# Altium PCB APP_1_PCB.PcbDoc (part 4 of 5) (continued)
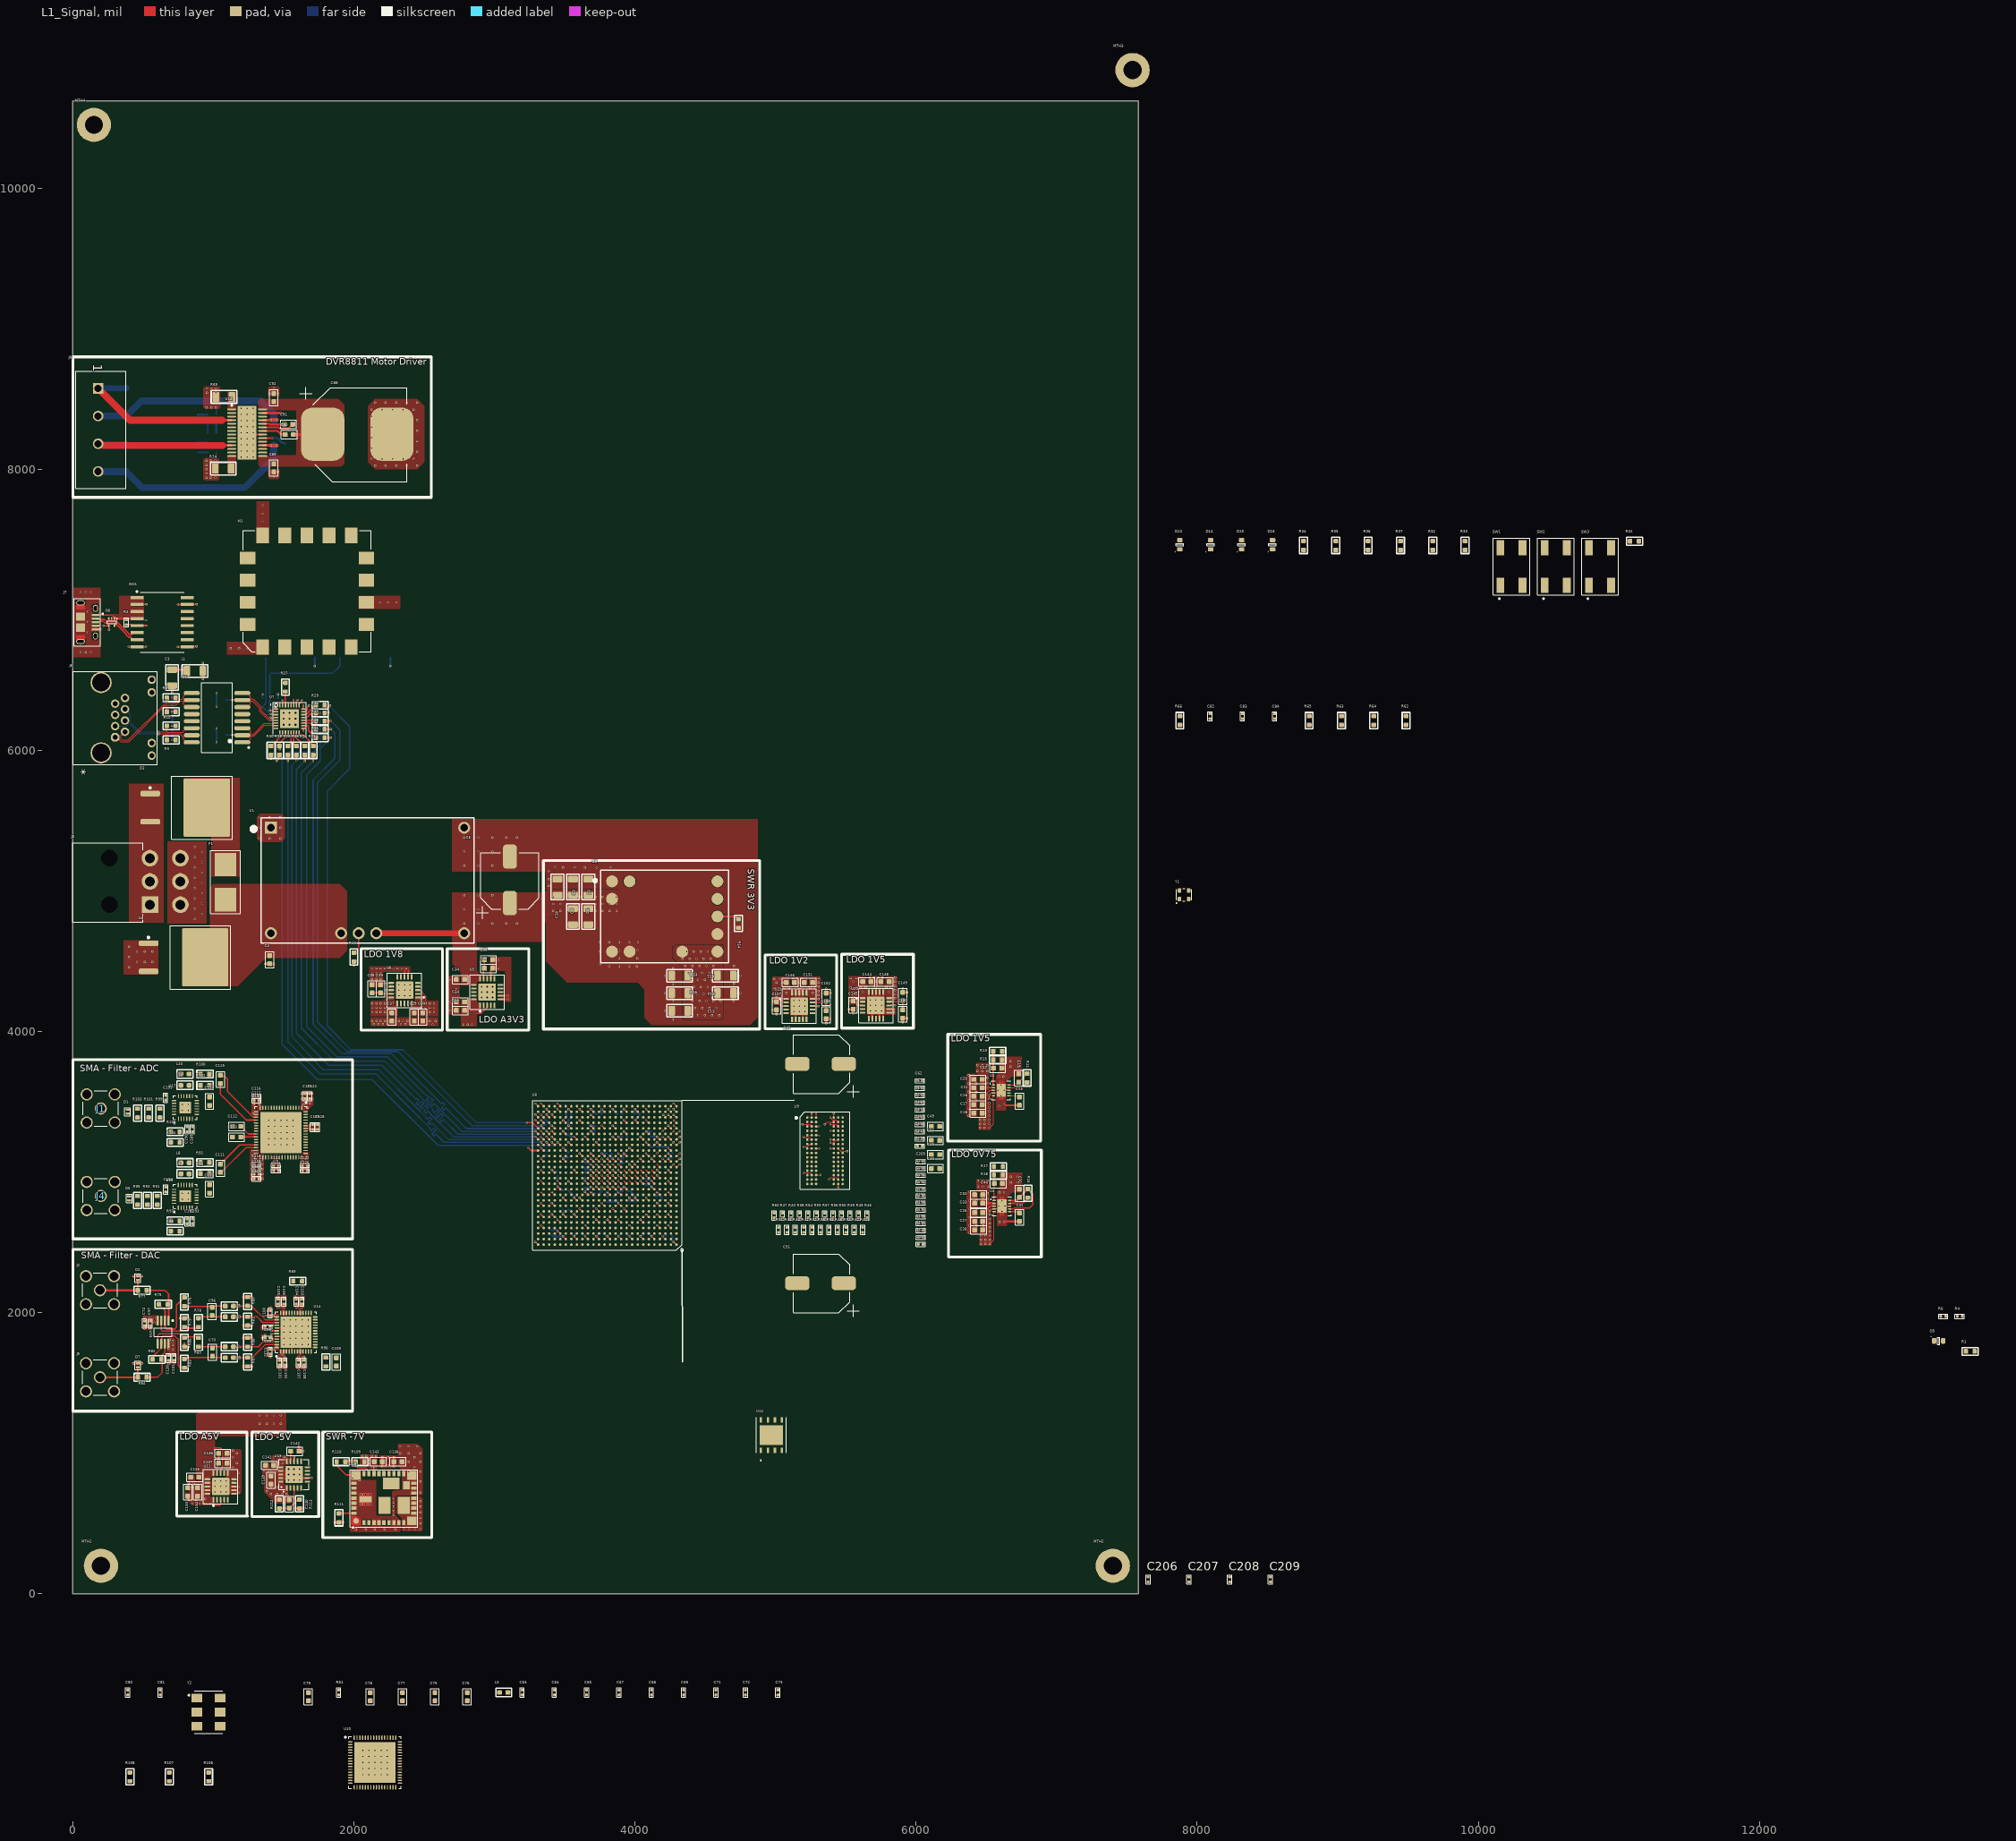
[diagram p0: L1_Signal view]
## Nets (pads, with @x,y where several pads share a name; then routed paths per layer and width w, separated by ;. In a path a pad name is that pad's centre, name@x,y a point inside that pad or via, vN(x,y) a via of type N, cw(c..) or ccw(c..) an arc to the next point about the centre after c; other vN are vias at no path point) (continued)
  L1_Signal w10: v2(747.47,6737.32) 747.87,6737.72 813.83,6737.72 ISO1.9@814.22,6738.11 814.62,6738.51 880.58,6738.51 v2(880.98,6738.9) ; v2(747.47,7037.32) 747.87,7037.72 813.83,7037.72 ISO1.15@814.22,7038.11 814.62,7038.51 880.58,7038.51 v2(880.98,7038.9) ; v2(925.26,6621.4) L1.1@925.26,6565.11 925.98,6564.4 v2(925.98,6508.11) ; v3(1283.31,8260) 1296.1,8247.2 U13.21@1350.24,8247.2 ; U14.44@1451.32,1832.17 1487.74,1832.17 v2(1501.52,1818.39) ; U14.41@1451.32,1891.22 1487.74,1891.22 v2(1501.52,1905) ; v2(1544.82,1775.08) 1558.6,1761.3 U14.5@1558.6,1724.88 ; v5(1613.19,810) 1626.97,823.78 U19.7@1668.3,823.78 1668.85,824.33 1699.45,824.33 v1(1700,824.88) ; v2(2000,4470) R12.1@2000,4498.5 ; C39.1@2189.65,4334.27 2199.44,4344.06 2263.27,4344.06 U6.11@2265.16,4345.95 ; U6.8@2359.65,4389.26 2359.65,4434.77 ; U6.7@2385.24,4389.26 2385.24,4430.36 2389.65,4434.77 ; U5.12@2973.59,4375.49 2973.59,4437.08 C35.1@2987.5,4451 ; U5.6@3042.49,4229.82 3086.82,4229.82 3088,4231 ; U5.7@3042.49,4255.41 3082.41,4255.41 3088,4261 ; v2@3290.94,2504.11 U8.A26@3310.53,2484.52 ; v2@3290.94,3488.36 U8.AF26@3310.53,3468.77 ; v2(3330.24,2700.96) U8.F25@3349.9,2681.37 ; v2(3330.24,2858.44) U8.K25@3349.9,2838.85 ; v2(3330.24,3015.92) U8.P25@3349.9,2996.33 ; v2(3330.24,3173.4) U8.V25@3349.9,3153.81 ; v2(3330.88,3331.53) 3330.88,3331.1 3349.9,3312.07 U8.AB25@3349.9,3311.29 ; v2@3409.05,2779.7 U8.H23@3428.64,2760.11 ; v2@3409.05,3252.14 U8.Y23@3428.64,3232.55 ; v2@3409.05,3409.62 U8.AD23@3428.64,3390.03 ; v2(3448.35,2661.59) U8.E22@3468.01,2642 ; v2(3448.35,2937.18) U8.M22@3468.01,2917.59 ; v2(3448.35,3448.99) U8.AE22@3468.01,3429.4 ; v2@3487.79,2543.48 U8.B21@3507.38,2523.89 ; v2@3487.79,3094.66 U8.T21@3507.38,3075.07 ; v2@3527.16,3212.77 U8.W20@3546.75,3193.18 ; v2@3527.16,3330.88 U8.AB20@3546.75,3311.29 ; v2@3566.53,2700.96 U8.F19@3586.12,2681.37 ; v2@3566.53,2819.07 U8.J19@3586.12,2799.48 ; v2@3566.53,3015.92 U8.P19@3586.12,2996.33 ; v2(3605.83,3448.99) U8.AE18@3625.49,3429.4 ; v2@3645.27,2543.48 U8.B17@3664.86,2523.89 ; v2@3684.57,2858.44 U8.K16@3704.16,2838.85 ; v2@3684.57,2937.18 U8.M16@3704.16,2917.59 ; v2@3684.57,3015.92 U8.P16@3704.16,2996.33 ; v2@3684.64,3094.66 U8.T16@3704.23,3075.07 ; v2@3684.64,3330.88 U8.AB16@3704.23,3311.29 ; v1(3685.76,3407.62) 3686.65,3407.62 U8.AD16@3704.23,3390.03 ; v2@3723.94,2897.81 U8.L15@3743.53,2878.22 ; v2@3723.94,2976.55 U8.N15@3743.53,2956.96 ; v1(3723.94,3055.29) 3743.53,3035.7 U8.R15@3743.61,3035.7 ; v2(3723.94,2661.59) U8.E15@3743.61,2642 ; v2(3723.94,3212.77) U8.W15@3743.61,3193.18 ; v2(3763.23,2937.18) U8.M14@3782.9,2917.59 ; v2(3763.23,3015.92) U8.P14@3782.9,2996.33 ; v2@3763.38,3094.66 U8.T14@3782.98,3075.07 ; v2@3763.38,3448.99 U8.AE14@3782.98,3429.4 ; v2@3802.68,2897.81 U8.L13@3822.27,2878.22 ; v2@3802.68,2976.55 U8.N13@3822.27,2956.96 ; v2@3802.75,2543.48 U8.B13@3822.35,2523.89 ; v2@3802.75,3055.29 U8.R13@3822.35,3035.7 ; v2@3842.05,2937.18 U8.M12@3861.64,2917.59 ; v2@3842.05,3015.92 U8.P12@3861.64,2996.33 ; v2(3842.05,3094.66) U8.T12@3861.72,3075.07 ; v2(3842.05,3330.88) U8.AB12@3861.72,3311.29 ; v2(3881.35,2897.81) U8.L11@3901.01,2878.22 ; v2(3881.35,2976.55) U8.N11@3901.01,2956.96 ; v2@3881.49,2661.59 U8.E11@3901.09,2642 ; v2@3881.49,2779.7 U8.H11@3901.09,2760.11 ; v2@3881.49,3055.29 U8.R11@3901.09,3035.7 ; v2@3881.49,3134.03 U8.U11@3901.09,3114.44 ; v2@3881.49,3252.14 U8.Y11@3901.09,3232.55 ; v2@3920.86,3448.99 U8.AE10@3940.46,3429.4 ; v2@3960.24,2543.48 U8.B9@3979.83,2523.89 ; v2(3998.14,3055.93) U8.R8@4017.81,3036.34 ; v2(3999.53,2819.07) U8.J8@4019.2,2799.48 ; v2(3999.53,3370.25) U8.AC8@4019.2,3350.66 ; v2@4038.98,2661.59 U8.E7@4058.57,2642 ; v2@4038.98,3252.14 U8.Y7@4058.57,3232.55 ; v2@4078.35,3448.99 U8.AE6@4097.94,3429.4 ; v2(4117.64,2543.48) U8.B5@4137.31,2523.89 ; v2(4117.64,2937.18) U8.M5@4137.31,2917.59 ; v2(4117.64,3094.66) U8.T5@4137.31,3075.07 ; v2@4157.09,2622.22 U8.D4@4176.68,2602.63 ; v2@4157.09,2779.7 U8.H4@4176.68,2760.11 ; v2@4157.09,3252.14 U8.Y4@4176.68,3232.55 ; v2@4235.83,2700.96 U8.F2@4255.42,2681.37 ; v2@4235.83,2858.44 U8.K2@4255.42,2838.85 ; v2@4235.83,3015.92 U8.P2@4255.42,2996.33 ; v2@4235.83,3173.4 U8.V2@4255.42,3153.81 ; v2@4235.83,3330.88 U8.AB2@4255.42,3311.29 ; v2@4275.2,2504.11 U8.A1@4294.79,2484.52 ; v2@4275.2,3488.36 U8.AF1@4294.79,3468.77 ; U21.7@5143.23,4087 5143.23,4155.9 v2(5168.82,4181.49) 5194.41,4155.9 5194.41,4128.34 U21.9@5194.41,4087 ; v2(5208.19,4142.12) 5220,4130.31 U21.10@5220,4087 ; U20.E1@5688.23,4160.9 v2(5713.82,4186.49) ; v2(5753.19,4147.12) 5765,4135.31 U20.10@5765,4092 ; v2(6520,3520) v2(6520,3550) 6532.91,3562.91 U2.4@6549.88,3562.91 6577.52,3562.91 6582.36,3567.76 v2(6582.36,3582.6) ; v2(6524.91,2696.97) v2(6524.91,2726.97) 6537.83,2739.89 6582.43,2739.89 6587.28,2744.73 U4.11@6587.28,2759.57 ; v2(6624.91,2646.97) 6625.73,2646.97 v2@6628.82,2650.07 ; v2(6625,3484.7) 6625.81,3484.7 6634.81,3475.7 C23.1@6735,3475.7 ; v2(6627.64,3582.6) U2.8@6660.12,3582.6 ; v3(6632.79,2758.57) U4.8@6665.27,2758.57
  L1_Signal w15: v1(1409.55,5941.52) 1410,5941.97 R30.1@1410,5968.5 ; v1(1440,6310) 1440,6296.48 1442.58,6293.9 U7.1@1445.67,6293.9 ; v1(4977,4154) C147.1@5007.5,4154 ; v1(5007,4124) C147.1@5007,4153.5 ; U21.E1@5194.41,4128.34 v2(5208.19,4142.12) ; v1(5360,4060) C153.1@5360,4090.5 5360.5,4090 v1(5390,4090) ; C152.1@5360,4274.5 v1(5390.5,4274.5) ; C152.1@5360.5,4275 v1(5360.5,4304.5) ; v1(5522,4159) C145.1@5552.5,4159 ; v1(5552,4129) C145.1@5552,4158.5 ; U20.7@5688.23,4092 U20.E1@5688.23,4160.9 ; U20.9@5739.41,4092 5739.41,4133.34 v2(5753.19,4147.12) ; v1(5905,4065) C150.1@5905,4095.5 5905.5,4095 v1(5935,4095) ; C149.1@5905,4279.5 v1(5935.5,4279.5) ; C149.1@5905.5,4280 v1(5905.5,4309.5) ; v2@6628.82,2650.07 C41.1@6735.15,2650.07
  L1_Signal w20: v2(431.85,1640.63) v2(491.85,1640.63) ; v2(431.85,2260) v2(491.85,2260) ; v2(763.35,1961.5) v2(823.35,1961.5) ; v2(793.35,1780) R86.2@793.35,1758.5 v2(823.35,1758.5) ; v2(1213.35,1618.5) v2(1273.35,1618.5) ; v2(1213.35,1821.5) v2(1273.35,1821.5) ; v2(1213.35,1908.5) v2(1273.35,1908.5) ; v2(1213.35,2111.5) v2(1273.35,2111.5) ; v2(1370,4482.5) v2(1430,4482.5) ; v2(1583.95,607.57) v2(1643.95,607.57) ; v2(1610,1044.88) 1609.75,1044.63 1609.75,1015.13 C142.1@1609.5,1014.88 v1(1640,1014.88) ; v2(1863.25,509.56) v2(1923.25,509.56) ; v2(2202.75,911.06) v2(2202.75,971.06) ; v2(2283.75,911.06) v2(2283.75,971.06)
  L3_Signal w10: v2(3684.57,3330.88) 3684.57,3332.24 v2@3685.76,3333.43
  L12_Signal w10: R72.1@958.5,8260 959.5,8261 959.5,8329 C94.1@960.5,8330 ; v1(1013,8060) 1013,8061.35 1019.5,8067.85 C95.1@1019.5,8120 ; v1(1018,8440) 1018,8438.65 1021.5,8435.15 R71.1@1021.5,8390 ; v2(1022.48,6059.33) C1.1@1022.48,6108.72 v2(1022.48,6158.11) ; v2(1022.48,6309.33) C2.1@1022.48,6358.72 v2(1022.48,6408.11)
  L12_Signal w15: C43.1@1460.26,6374.17 v1(1460.26,6400) ; v1(1720,6600) 1720,6656.55 C44.2@1723.45,6660 ; v1(2260,6600) C42.2@2260,6660 ; v2(3330.24,3173.4) 3348.42,3155.22 3363.28,3155.22 C171.1@3365,3153.5 ; v2(3330.88,3331.53) 3335.85,3336.5 C175.1@3365,3336.5 ; C174.1@3408.98,2553.5 3419,2543.48 v2(3487.72,2543.48) ; C178.1@3448,2971.5 3448,2937.53 v2(3448.35,2937.18) ; v2(3487.72,3094.66) 3498.56,3105.5 C170.1@3528,3105.5 ; C185.1@3524.5,2733 3527,2730.5 3536.92,2730.5 v2(3566.46,2700.96) ; C167.1@3524.5,2870 3566.46,2828.04 v2(3566.46,2819.07) ; C188.1@3528,3300.5 3528,3329.97 v2(3527.09,3330.88) 3527.09,3370.59 3544.5,3388 C183.1@3544.5,3411 ; C179.1@3623.25,2571 3625.75,2568.5 3625.75,2562.93 v2(3645.2,2543.48) ; C161.1@3645,2996.5 3645,3029 C154.1@3646,3030 ; C154.1@3645,3031.5 3659.5,3017 v2@3682,3017 ; v2(3684.49,2858.44) 3693.94,2849 C155.1@3713.5,2849 ; v2(3684.57,3330.88) 3685.95,3329.5 C165.1@3718,3329.5 ; C176.1@3761.5,3412 3761.5,3447.18 v2(3763.31,3448.99) ; C172.1@3781,2571 3783.5,2568.5 3783.5,2562.66 v2(3802.68,2543.48) ; C160.1@3804,2788.5 C156.1@3847,2788.5 3872.62,2788.5 v2(3881.42,2779.7) ; C186.1@3830.5,3133 3830.5,3106.21 v2(3842.05,3094.66) ; v2(3881.42,3055.29) 3887.63,3061.5 C159.1@3919,3061.5 ; v2(3881.42,3252.14) 3882.28,3253 C166.1@3908.5,3253 ; C169.1@3908.5,3412 3908.5,3436.7 v2(3920.79,3448.99) ; C180.1@3938.22,2571 3940.72,2568.5 3940.72,2562.93 v2(3960.16,2543.48) ; C158.1@3945.5,2864 3967,2864 3999.53,2831.47 v2(3999.53,2819.07) 3996.5,2816.04 C162.1@3996.5,2791 ; v2(3999.53,3370.25) 4030,3400.72 4030,3413.5 C177.1@4032.5,3416 ; C168.1@4079,2946.5 4108.32,2946.5 v2(4117.64,2937.18) ; C173.1@4096,2571 4098.5,2568.5 4098.5,2562.62 v2(4117.64,2543.48) ; C164.1@4116,3253.5 4155.65,3253.5 v2(4157.01,3252.14) ; v2(4157.01,2779.7) 4161.7,2779.7 4188.1,2806.1 4188.1,2823.6 C181.1@4188.5,2824 ; C163.1@4159.5,3181 4228.15,3181 v2(4235.75,3173.4) 4261.5,3147.65 4261.5,3138 C187.1@4264,3135.5 ; C182.1@4265.5,2549 4265.5,2513.73 v2(4275.12,2504.11)
  other v1: 1177.64,720 850,754.62 1177.64,760 822.85,790.08 860,790.08 1360,824.88 1177.64,860 1360,874.88 1400,874.88 1450,874.88 1137.64,900 1167.64,930 1137.64,970 1167.64,1000 1137.64,1020 1510.15,1608.33 1645.63,1608.33 1469.53,1609.4 1605,1609.4 1404.08,1685.79 1382.08,1705.79 1348.79,1819.92 1367.79,1839.92 1367.79,1880.92 1348.79,1899.92 1383.79,2014.92 1403.79,2036.92 1501.52,2115.6 1630,2115.6 1460.89,2116.67 1589.38,2116.67 6380,2570 6380,2620 6430,2620 6380,2680 6430,2680 6380,2740 6430,2740 6380,2800 6430,2800 6380,2860 1270.75,2952.52 1270.75,2986.52 1270.75,3021.52 1464.75,3028.52 1668.75,3031.52 1270.75,3060.52 1454.75,3078.52 1277.75,3093.52 1668,3112 1278.75,3123.52 1277.75,3150.52 1684.75,3332.52 1723.75,3340.52 6375.35,3400.43 1282.07,3420.15 6375.35,3450.43 6425.35,3450.43 1287.61,3484.02 6375.35,3510.43 6425.35,3510.43 1290.02,3525.95 1701.45,3560.45 1628.11,3560.9 1669.31,3561.08 6375.35,3570.43 6425.35,3570.43 6375.35,3630.43 6425.35,3630.43 6375.35,3690.43 2560,4050 2204.15,4052.4 2173.13,4053.23 2334.06,4052.67 2366.48,4052.67 2142.38,4053.78 2129.65,4075.27 2160,4075.27 2189.65,4075.27 2220,4075.27 2320.28,4075.27 2350,4075.27 2380,4075.27 2540,4075.27 2580,4075.27 4269,4085 5840,4135.31 4212,4147.98 5840,4155 4269,4217.98 4699.89,4217.98 4212,4272.98 4750,4274 5168.82,4310 5713.82,4315 4269,4337 4703,4339 5168.82,4350 5713.82,4355 5125,4380 5155,4380 5185,4380 5215,4380 5670,4385 5700,4385 5730,4385 5760,4385 4212,4397 4750,4397.98 4272,4452 3887,4464 3961,4464 4013,4464 3816,4466 4703,4467.98 3751,4478 3887,4521 4016,4521 3751,4569 3887,4580 4018,4580 3751,4636 3816,4637 3887,4637 3961,4637 4021,4637 3386,5037 3386,5084.98 3387,5140 3727,5166 3487,5168 3643,5168 3571,5169 3825,5169 3432,5172 2784.69,5180.11 2884.69,5180.11 2984.69,5180.11 2784.69,5280.11 2884.69,5280.11 2984.69,5280.11 2784.69,5380.11 2884.69,5380.11 2984.69,5380.11 3084.69,5380.11 3159.69,5380.11 950,7940 980,7940 1013,7940 1430,7950 950,7970 1400,7980 1460,7980.5 950,8000 2150,8025 2225,8025 2300,8025 2375,8025 2450,8025 950,8030 950,8060 980,8060 2125,8075 2200,8075 2275,8075 2350,8075 2425,8075 2450,8125 2125,8150 2450,8200 2125,8225 2450,8275 2125,8300 2450,8350 2125,8375 2125,8425 2200,8425 2275,8425 2350,8425 2425,8425 950,8440 985,8440 2150,8475 2225,8475 2300,8475 2375,8475 2450,8475 1400,8539.5 1460,8540 955,8545 1018,8545 955,8575 985,8575 1018,8575 1430,8580
  other v2: 2354.98,461.06 2393.25,461.06 2433.25,461.06 2473.25,461.06 2473.25,501.06 2473.25,541.06 2473.25,581.06 2473.25,621.06 2473.25,661.06 1012.09,725.12 1051.46,725.12 1090.83,725.12 1012.09,764.49 1051.46,764.49 1090.83,764.49 1012.09,803.86 1051.46,803.86 1090.83,803.86 2243.25,911.06 2243.25,971.06 679.69,1638.08 719.69,1638.08 699.69,1658.08 1501.52,1775.08 1588.13,1775.08 1631.44,1775.08 1674.74,1775.08 1544.82,1818.39 1588.13,1818.39 1631.44,1818.39 1674.74,1818.39 1501.52,1861.69 1544.82,1861.69 1588.13,1861.69 1631.44,1861.69 1674.74,1861.69 509.69,1888.08 549.69,1888.08 1544.82,1905 1588.13,1905 1631.44,1905 1674.74,1905 529.69,1908.08 1501.52,1948.31 1544.82,1948.31 1588.13,1948.31 1631.44,1948.31 1674.74,1948.31 6594.91,2646.97 6594.91,2856.97 6624.91,2856.97 6674.91,2926.97 6724.91,2926.97 6674.91,2966.97 6724.91,2966.97 6590,3470 6605,3545.2 6605,3620 6590,3680 6620,3680 6670,3750 6720,3750 6670,3790 6720,3790 5129.45,4142.12 5168.82,4142.12 5674.45,4147.12 5713.82,4147.12 5129.45,4181.49 5208.19,4181.49 5674.45,4186.49 5753.19,4186.49 5129.45,4220.86 5168.82,4220.86 5208.19,4220.86 5674.45,4225.86 5713.82,4225.86 5753.19,4225.86 2320.28,4255.4 2359.65,4255.4 2399.02,4255.4 2320.28,4294.77 2359.65,4294.77 2399.02,4294.77 2320.28,4334.14 2359.65,4334.14 2399.02,4334.14 2129.65,4374.77 2160,4374.77 2189.65,4374.77 2130,4412.38 2160,4412.38 2190,4412.38 2130,4450 2160,4450 2190,4450 2220,4450 2250,4450 2280,4450 2310,4450 2340,4450 2370,4450 400.98,4457.7 455.98,4494.91 510.98,4494.91 565.98,4494.91 400.98,4530.89 455.98,4568.11 510.98,4568.11 565.98,4568.11 400.98,4604.09 865.98,4800.72 920.98,4837.94 865.98,4873.92 920.98,4911.14 865.98,4947.12 920.98,4984.34 865.98,5020.32 920.98,5057.54 865.98,5093.52 920.98,5130.74 865.98,5166.72 920.98,5203.93 865.98,5239.91 920.98,5277.13 865.98,5313.11 1325,5375 1400,5375 1475,5375 1325,5450 1475,5450 1325,5525 1400,5525 1475,5525 1122.62,6726.51 1182.62,6726.51 1242.62,6726.51
  other v3: 2063.39,-1285.75 2106.69,-1285.75 2150,-1285.75 2193.31,-1285.75 2236.61,-1285.75 2063.39,-1242.44 2106.69,-1242.44 2150,-1242.44 2193.31,-1242.44 2236.61,-1242.44 2063.39,-1199.13 2106.69,-1199.13 2150,-1199.13 2193.31,-1199.13 2236.61,-1199.13 2063.39,-1155.82 2106.69,-1155.82 2150,-1155.82 2193.31,-1155.82 2236.61,-1155.82 2063.39,-1112.52 2106.69,-1112.52 2150,-1112.52 2193.31,-1112.52 2236.61,-1112.52 6610.15,2721.17 6587.51,2758.57 6610.15,2795.97 1393.41,3195.27 1436.72,3195.27 1480.02,3195.27 1523.33,3195.27 1566.64,3195.27 1393.41,3238.58 1436.72,3238.58 1480.02,3238.58 1523.33,3238.58 1566.64,3238.58 1393.41,3281.89 1436.72,3281.89 1480.02,3281.89 1523.33,3281.89 1566.64,3281.89 1393.41,3325.19 1436.72,3325.19 1480.02,3325.19 1523.33,3325.19 1566.64,3325.19 1393.41,3368.5 1436.72,3368.5 1480.02,3368.5 1523.33,3368.5 1566.64,3368.5 1196.69,8086.77 1240,8086.77 1283.31,8086.77 1196.69,8130.08 1240,8130.08 1283.31,8130.08 1196.69,8173.39 1240,8173.39 1283.31,8173.39 1196.69,8216.69 1240,8216.69 1283.31,8216.69 1196.69,8260 1240,8260 1196.69,8303.31 1240,8303.31 1283.31,8303.31 1196.69,8346.61 1240,8346.61 1283.31,8346.61 1196.69,8389.92 1240,8389.92 1283.31,8389.92 1196.69,8433.23 1240,8433.23 1283.31,8433.23
  other v4: 2681.35,4151 2681.35,4211 3098,4231 3098,4256 2728.5,4277.56 2728.5,4302.56 2681.35,4366 3028,4451 3028,4511 2183.26,7053.73 2243.26,7053.73 2303.26,7053.73 1351.05,7625.11 1351.05,7685.11 1351.05,7745.11
  other v5: 1534.45,810 1573.82,810 1534.45,849.37 1573.82,849.37 1613.19,849.37 1534.45,888.74 1573.82,888.74 1613.19,888.74
  other v6: 2908.63,4241.63 2948,4241.63 2987.37,4241.63 2908.63,4281 2948,4281 2987.37,4281 2908.63,4320.37 2948,4320.37 2987.37,4320.37
IO_L2_N: U8.A4
IO_L2_P: U8.B4
IO_L3_N: U8.D5
IO_L3_P: U8.E6
IO_L4_N: U8.A5
IO_L4_P: U8.C5
IO_L5_N: U8.F7
IO_L5_P: U8.G8
IO_L6N_2: U8.A6
IO_L6P_2: U8.B6
IO_L7N_2: U8.A7
IO_L7P_2: U8.C7
IO_L8N_2: U8.C6
IO_L8P_2: U8.D6
IO_L9N_2: U8.D7
IO_L9P_2: U8.E8
IO_L10N_2: U8.C8
IO_L10P_2: U8.D8
IO_L11N_2: U8.E9
IO_L11P_2: U8.F9
IO_L12N_2: U8.A8
IO_L12P_2: U8.B8
IO_L13N_2: U8.A9
IO_L13P_2: U8.C9
IO_L14N_2: U8.F10
IO_L14P_2: U8.E10
IO_L15N_2: U8.C10
IO_L15P_2: U8.D10
IO_L16N_2: U8.A10
IO_L16P_2: U8.B10
IO_L17N_2: U8.F11
IO_L17P_2: U8.D11
IO_L18N_2: U8.A11
IO_L18P_2: U8.C11
IO_L19N_2: U8.A12
IO_L19P_2: U8.B12
IO_L20N_2: U8.C12
IO_L20P_2: U8.D12
IO_L34_N: U8.A13
IO_L34_P: U8.C13
IO_L35_N: U8.A14
IO_L35_P: U8.B14
JTAG_TCK: M1.10 U8.E21
JTAG_TDI: M1.12 U8.F20
JTAG_TDO: M1.11 U8.A24
JTAG_TMS: M1.13 U8.C23
NetC1_2: C1.2 T1.2 | length 116.8
  L1_Signal w10: v2(1136.21,6108.72) 1136.51,6108.42 1205.67,6108.42 T1.2@1205.98,6108.11
  L12_Signal w10: C1.2@1089.48,6108.72 v2(1136.21,6108.72)
NetC2_2: C2.2 T1.7 | length 116.8
  L1_Signal w10: v2(1136.21,6358.72) 1136.51,6358.42 1205.67,6358.42 T1.7@1205.98,6358.11
  L12_Signal w10: C2.2@1089.48,6358.72 v2(1136.21,6358.72)
NetC3_1: C3.1 L1.2 | length 109.4
  L1_Signal w10: L1.2@801.26,6575.11 L1.2@811.26,6565.11
  L1_Signal w15: C3.1@705.98,6575.11 L1.2@801.26,6575.11
NetC3_2: C3.2 R7.1 R8.1 R9.1 R10.1 | length 486.7
  L1_Signal w10: v2(706.37,6275.39) 706.57,6275.2 731.3,6275.2 R7.1@731.5,6275 ; v2(706.77,6175.39) 706.96,6175.2 731.3,6175.2 R10.1@731.5,6175 ; v2(706.77,6375.39) 706.96,6375.2 731.3,6375.2 R8.1@731.5,6375 ; v2(707.16,6074.72) 707.3,6074.86 731.36,6074.86 R9.1@731.5,6075
  L1_Signal w15: v2@705.98,6418.72 C3.2@705.98,6461.11
  L12_Signal w15: v2(706.37,6419.11) 706.37,6375.79 v2(706.77,6375.39) 707.16,6375 v2(707.16,6074.72)
NetC22_2: C22.2 R13.1 R15.2 U2.1 | length 238.6
  L1_Signal w5: R13.1@6548.5,3860 R13.1@6548.98,3859.52 ; U2.1@6548.98,3622.87 U2.1@6549.88,3621.97
  L1_Signal w15: U2.1@6548.98,3622.87 R13.1@6548.98,3859.52
NetC23_2: C23.2 U2.6 | length 78.4
  L1_Signal w5: U2.6@6660.12,3543.23 6726.47,3543.23 C23.2@6735,3534.7
NetC35_2: C35.2 C36.2 U5.14 | length 138
  L1_Signal w10: U5.14@2922.41,4375.49 2922.41,4444.91 C35.2@2928.5,4451 C36.2@2928.5,4511
NetC38_2: C38.2 C39.2 U6.14 | length 138
  L1_Signal w10: C38.2@2129.65,4275.27 C39.2@2189.65,4275.27 2195.74,4269.18 U6.14@2265.16,4269.18
NetC40_2: C40.2 R17.1 R18.2 U4.1 | length 238.6
  L1_Signal w10: R17.1@6553.41,3036.97 6553.9,3036.49 6553.9,2799.84 U4.1@6554.8,2798.94
NetC41_2: C41.2 U4.6 | length 74.1
  L1_Signal w5: U4.6@6665.27,2719.2 U4.6@6665.81,2718.66 ; C41.2@6725.56,2718.66 C41.2@6735.15,2709.07
  L1_Signal w10: U4.6@6665.81,2718.66 C41.2@6725.56,2718.66
NetC42_1: C42.1 C43.2 U7.2 | length 885.8
  L1_Signal w8: v1(1403.92,6285.25) 1404.2,6284.97 1415.03,6284.97 1425,6275 1444.88,6275 U7.2@1445.67,6274.21
  L12_Signal w8: 1401.26,6292.85 1402.58,6291.54 1402.58,6286.59 v1(1403.92,6285.25)
  L12_Signal w10: 1401.26,6292.85 C43.2@1401.26,6374.17 1401.26,6540 1411.26,6550 1850,6550 1900,6600 C42.1@1900,6660
NetC44_1: C44.1 L2.1 U7.3 | length 480.2
  L1_Signal w8: v1(1410,6260) 1416.44,6260 1421.92,6254.53 U7.3@1445.67,6254.53
  L12_Signal w8: C44.1@1369.29,6660 1373.99,6655.3 1373.99,6473.09 1374,6334.5 L2.1@1350,6310.5 1399.16,6261.34 1408.66,6261.34 v1(1410,6260)
NetC70_1: C70.1 L7.1 R85.2 | length 198
  L1_Signal w10: R85.2@893.35,1758.5 984.35,1758.5 C70.1@993.35,1749.5 1002.35,1758.5 1043.35,1758.5 L7.1@1083.85,1758.5
NetC70_2: C70.2 L6.1 R83.2 | length 298.4
  L1_Signal w10: R83.2@793.35,1671.5 802.35,1680.5 C70.2@993.35,1680.5 ; C70.2@993.35,1690.5 1003.35,1680.5 L6.1@1083.85,1680.5
NetC75_2: C75.2 C76.2 L3.1 U10.5 U10.34 U10.35 U10.39 U10.42
NetC77_2: C77.2 U10.48
NetC78_2: C78.2 U10.4
NetC79_2: C79.2 U10.38
NetC89_2: C89.2 U13.20 | length 153.5
  L1_Signal w15: U13.20@1374.23,8221.61 v1(1420,8221.61)
  L12_Signal w15: v1(1420,8221.61) 1454.41,8221.61 1486.84,8189.18 1501.32,8189.18 C89.2@1510.5,8180
NetC90_2: C90.2 U13.22 | length 170.9
  L1_Signal w15: U13.22@1350.24,8272.8 1457.2,8272.8 1480.23,8249.77 1507.94,8249.77 C90.2@1510.5,8247.2
NetC91_1: C91.1 U13.24 | length 157.4
  L1_Signal w15: U13.24@1350.24,8323.98 1398.55,8323.98 1402.52,8320 C91.1@1506,8320
NetC91_2: C91.2 U13.23 | length 230.7
  L1_Signal w15: U13.23@1350.24,8298.39 1462.92,8298.39 1471.31,8290 1534.5,8290 1564.5,8320 C91.2@1565,8320
NetC93_2: C93.2 R70.1 R71.2 U13.5 | length 127.8
  L12_Signal w15: C93.2@889.5,8330 890.5,8331 890.5,8389 R70.1@891.5,8390 R71.2@958.5,8390
NetC94_2: C94.2 R72.2 U13.6 | length 70.8
  L12_Signal w15: C94.2@1019.5,8330 1020.5,8329 1020.5,8261 R72.2@1021.5,8260
NetC95_2: C95.2 R73.2 U13.9 | length 69
  L12_Signal w15: R73.2@891.5,8120 C95.2@960.5,8120
NetC96_1: C96.1 L5.1 R78.2 | length 201.9
  L1_Signal w10: R78.2@893.35,1961.5 901.35,1969.5 911.15,1969.5 912.14,1970.48 982.15,1970.48 C96.1@991.45,1979.78 1000.73,1970.5 L5.1@1083.85,1970.5
NetC96_2: C96.2 L4.1 R76.2 | length 296.9
  L1_Signal w10: R76.2@793.35,2046 984.23,2046 C96.2@991.45,2038.78 999.67,2047 L4.1@1083.85,2047
NetC109_2: C109.2 U14.42 | length 39.5
  L1_Signal w10: v2(1412,1872) 1412.46,1871.54 U14.42@1451.32,1871.54
NetC111_1: C111.1 R94.1 U16.30 | length 326.4
  L1_Signal w10: C111.1@1050,2998.5 1061.91,3010.41 1067.41,3010.41 1230.62,3173.62 U16.30@1303.84,3173.62
NetC111_2: C111.2 R92.1 U16.29 | length 310.1
  L1_Signal w10: C111.2@1050,3057.5 1185.8,3193.3 U16.29@1303.84,3193.3
NetC112_1: C112.1 U16.25 | length 131.7
  L1_Signal w10: C112.1@1194.5,3326 1248.46,3272.04 U16.25@1303.84,3272.04
NetC113_1: C113.1 U16.26 | length 110.3
  L1_Signal w10: C113.1@1194.5,3250 1196.86,3252.36 U16.26@1303.84,3252.36
NetC115_1: C115.1 R102.1 U16.20 | length 406.1
  L1_Signal w10: C115.1@1050,3630.5 1050,3554.53 1234.06,3370.47 U16.20@1303.84,3370.47
NetC115_2: C115.2 R100.1 U16.19 | length 428.2
  L1_Signal w10: C115.2@1050,3689.5 1054.64,3684.86 1076.14,3684.86 1100,3661 1100,3575 1284.85,3390.15 U16.19@1303.84,3390.15
NetC136_2: C136.2 C137.2 U11.14 | length 146.1
  L1_Signal w10: U11.14@1025.87,858.98 1025.87,898.23 1027.64,900 1027.64,919.5 C137.2@1038.14,930 C136.2@1038.14,1000
NetC140_2: C140.2 R112.2 R113.2 U19.3 | length 269.9
  L1_Signal w10: R112.2@1470,608.38 1471,609.38 1539,609.38 C140.2@1540,610.38 1540,610.88 1590.65,661.52 ; U19.3@1573.82,754.88 1573.82,678.35 1590.65,661.52 ; R113.2@1613.19,671.38 1603.33,661.52 1590.65,661.52
NetC142_2: C142.2 U19.14 | length 71.5
  L1_Signal w10: U19.14@1548.23,943.86 C142.2@1548.23,1015.38
NetC149_2: C149.2 C150.2 U20.14 | length 166.2
  L1_Signal w10: U20.14@5808.31,4212.08 5896.58,4212.08 C149.2@5905,4220.5 C150.2@5905,4154.5
NetC152_2: C152.2 C153.2 U21.14 | length 166.2
  L1_Signal w10: U21.14@5263.31,4207.08 5351.58,4207.08 C152.2@5360,4215.5 C153.2@5360,4149.5
NetD3_1: D3.1 D3.3 J3.1 J3.2 J3.3
NetD3_4: D3.4 F1.1
NetD5_A: D5.A R1.1
NetD13_A: D13.A R34.1
NetD14_A: D14.A R35.1
NetD15_A: D15.A R36.1
NetD16_A: D16.A R37.1